# Altium PCB 省电v1.0.PcbDoc
Units mil, origin at the board's own origin, x right, y up, seen from the top; angles counter-clockwise.
Board outline 6000 x 4000 mil, 2 copper layers (Top Layer, Bottom Layer); 24 components, 31 nets, 124 pads, 49 vias.
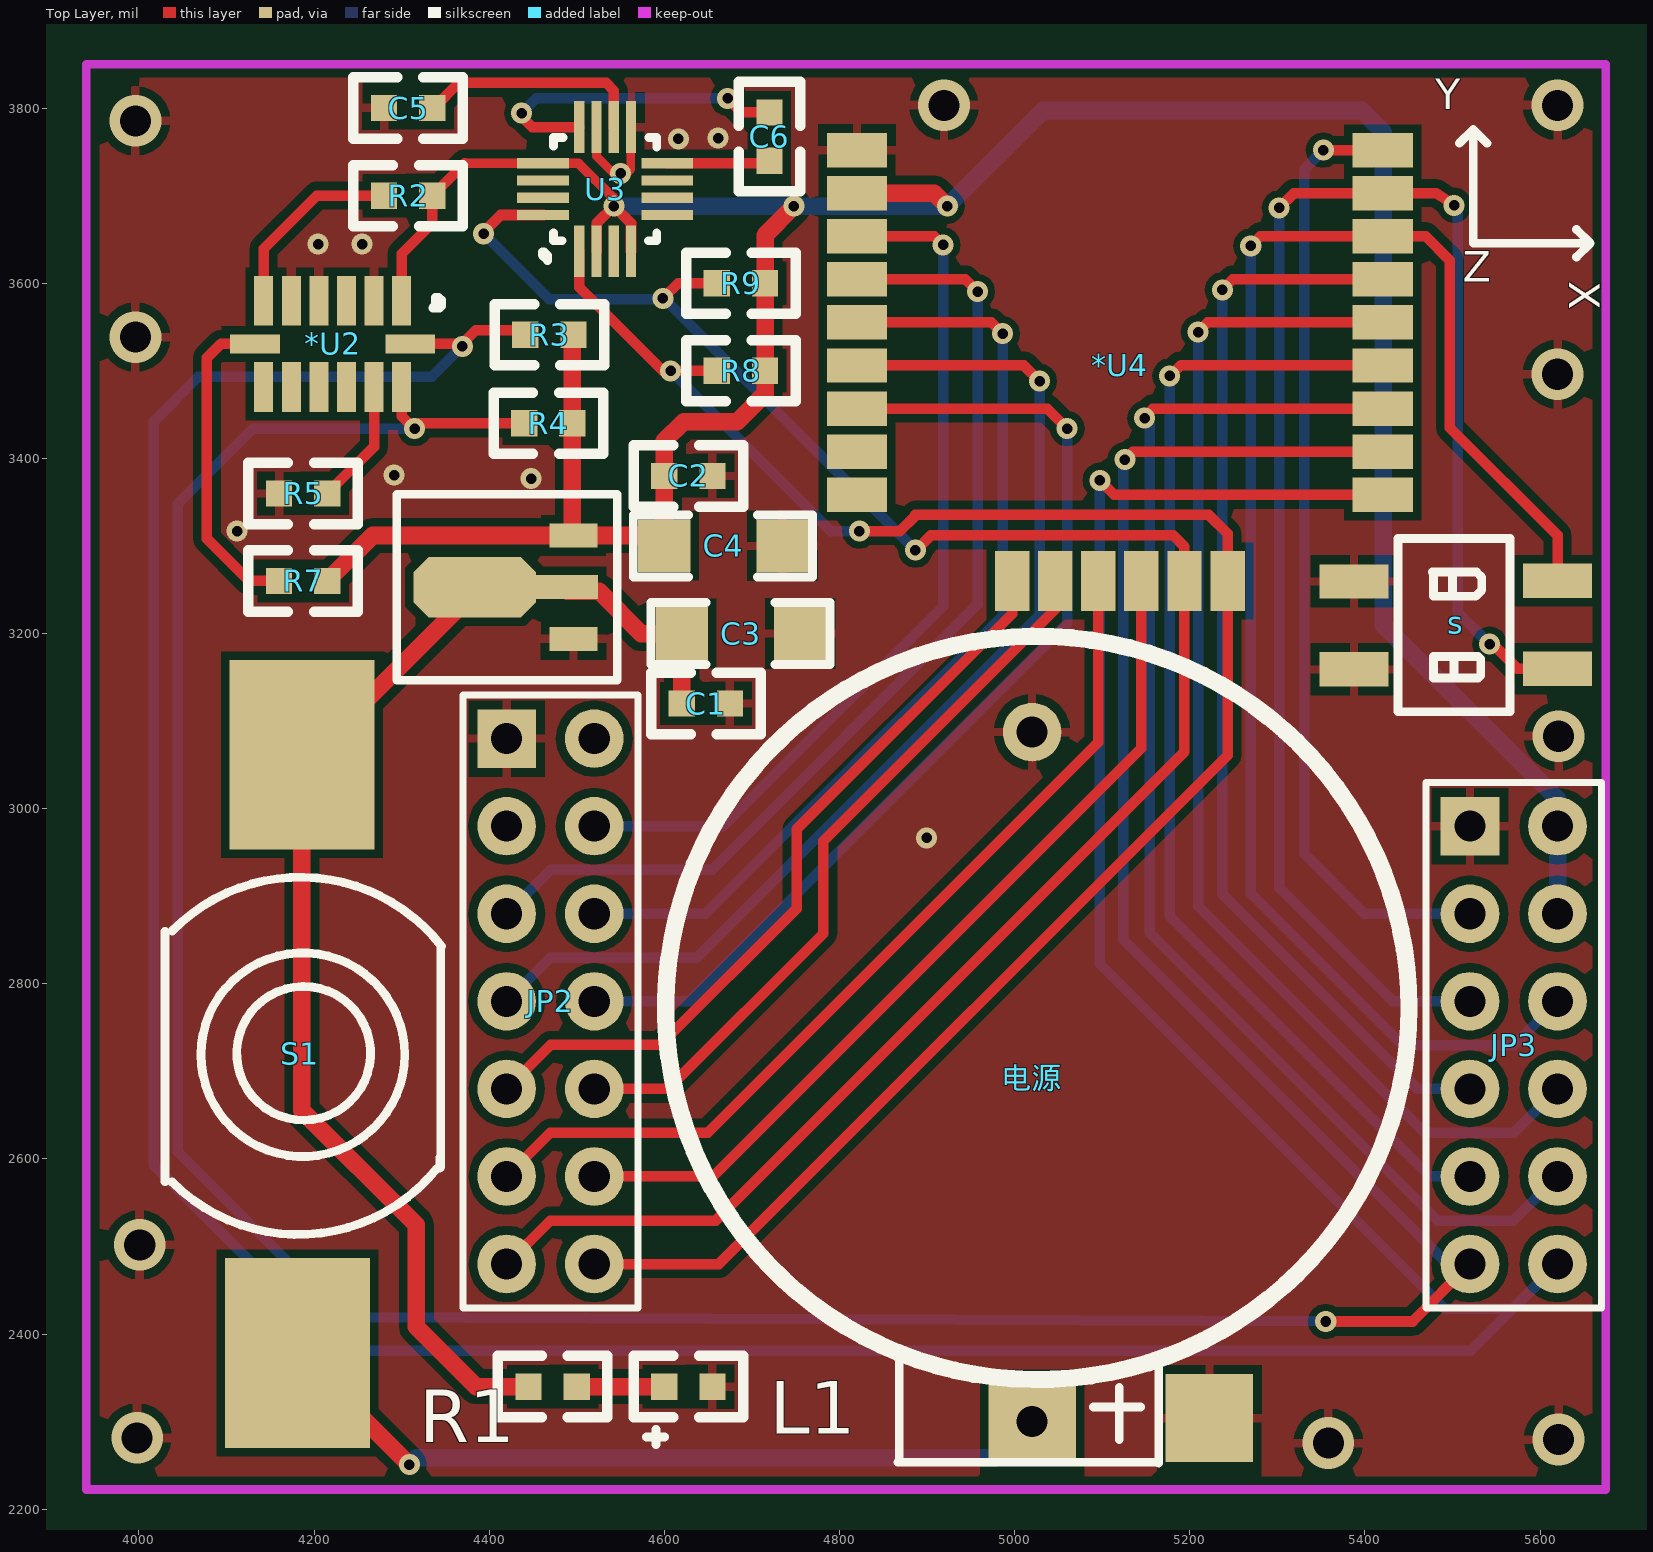
[diagram p0: Top Layer view]
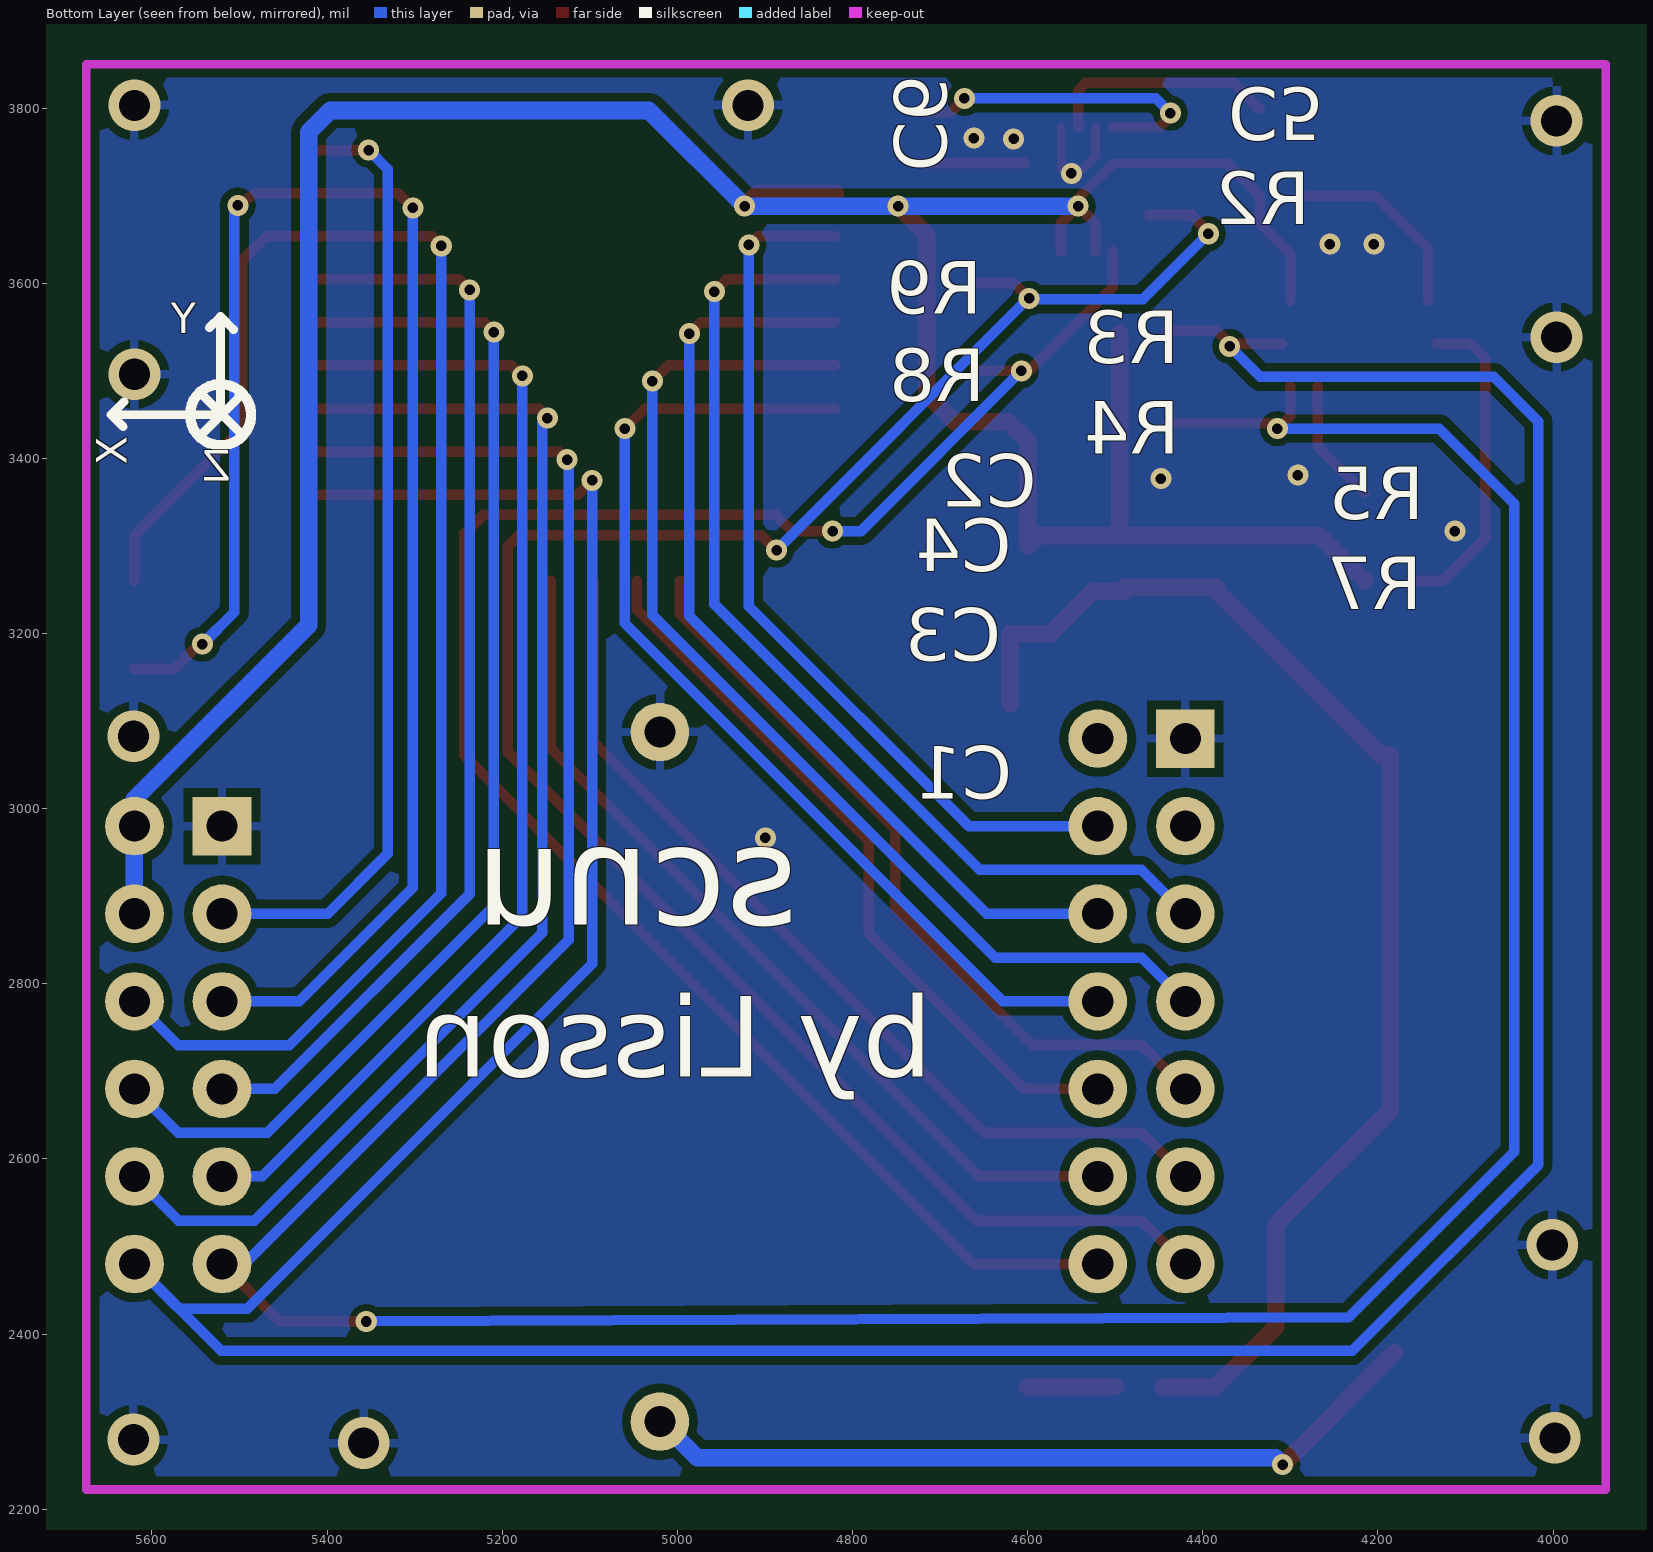
[diagram p1: Bottom Layer view, seen from below]

## Layer stack, top to bottom
Top Layer: signal copper 1.4
Dielectric: dielectric 12.6, FR-4, Dk 4.8
Bottom Layer: signal copper 1.4

## Board outline
1000,1000 7000,1000 7000,5000 1000,5000

## Design rules (kind name [scope] priority, off if disabled: settings)
Clearance [All] p1: gap=7
ComponentClearance [All] p1: gap=10 collisioncheckmode=3 verticalgap=10
PolygonConnect [All] p1: connectstyle=Relief reliefconductorwidth=10 reliefentries=4 polygonreliefangle="90 Angle"
RoutingVias [All] p1: holewidth=28 width=50 viastyle="Through Hole" minholewidth=5 minwidth=10 maxholewidth=39.37 maxwidth=59.06
SolderMaskExpansion [All] p1: expansion=4
TestPointUsage [All] p1: valid=0 allowmultiple=FALSE
Testpoint [All] p1: side=15 testpointundercomponent=TRUE minsize=40 maxsize=100 preferedsize=60 minholesize=0 maxholesize=40 preferedholesize=32 testpointgrid=1 style=1021 order=0123456789
Width [All] p1: maxlimit=20 minlimit=10 preferedwidth=10
18 further rules are at their usual default settings.

## Components (designator, comment, footprint, x,y, rotation, side; value= is the part's Value field where it differs from the comment)
*U1 "*6206" SOT89/X.7 4440,3252.87 r90 top
*U2 "ADXL345" ADXL345 4300,3580 r270 top
*U4 "mini_zigzee" mini_zigbee 4820,3752.13 r0 top
C1 "0.1u" 0603 4620,3120 r0 top
C2 "0.1u" 0603 4600,3380 r0 top
C3 "10U" 1206 4580,3240 r0 top
C4 "10u" 1206 4560,3340 r0 top
C5 "Cap Pol2" 0603 4335,3800 r180 top
C6 "0.22uf" 0603 4720,3740 r90 top
JP2 "Header 2X7" HDR2-7 4420,3080 r270 top
JP3 "Header 2X6" HDR2-6 5520,2980 r270 top
L1 "LED-3MM" 0603 4600,2340 r0 top
R1 "Res" 0603 4500,2340 r180 top
R2 "Res" 0603 4280,3700 r0 top
R3 "Res" 0603 4441.23,3541.1 r0 top
R4 "Res" 0603 4440,3440 r0 top
R5 "Res" 0603 4160,3360 r0 top
R7 "Res" 0603 4160,3260 r0 top
R8 "Res" 0603 4660,3500 r0 top
R9 "Res" 0603 4660,3600 r0 top
s "贴片拨码开关" 贴片拨码开关 5620,3160 r90 top
S1 "" 手电筒开关 4188.19,2720 r90 top
U3 "HMC5883L" HMC5883L 4502.91,3646.42 r90 top (schematic designator *U3)
电源 "Header 2" 2032纽扣底座 5020,2300 r0 top

## Footprints (in the part's own frame and the unit in brackets; to place one, negate y for a bottom-side part, rotate by r counter-clockwise, add the part's x,y. Pads: shape width x height; smd on the part's side, far side on the other; paste and mask are expansions set on the pad)
0603 [mil]
  rect 30x30 smd: 1(0,0) 2(55,0)
  silkscreen extent -35,-35 90,35
1206 [mil]
  rect 60x60 smd: 1(40,-40) 2(175,-40)
  silkscreen extent 5,-75 209,-5
2032纽扣底座 [mm]
  round 1.7 hole 0.9: 1(0,0) 2(0,20)
  silkscreen extent -10.63,-1.2 10.93,22.78
ADXL345 [mm]
  rect 1.445x0.55 smd: 1(0,0) 2(0,-0.8) 3(0,-1.6) 4(0,-2.4) 5(0,-3.2) 6(0,-4) 8(2.5,-4) 9(2.5,-3.2) 10(2.5,-2.4) 11(2.5,-1.6) 12(2.5,-0.8) 13(2.5,0)
  rect 0.55x1.445 smd: 7(1.25,-4.25) 14(1.25,0.25)
HDR2-6 [mm]
  rect 1.7x1.7 hole 0.9: 1(0,0)
  round 1.7 hole 0.9: 2(0,2.54) 3(2.54,0) 4(2.54,2.54) 5(5.08,0) 6(5.08,2.54) 7(7.62,0) 8(7.62,2.54) 9(10.16,0) 10(10.16,2.54) 11(12.7,0) 12(12.7,2.54)
  silkscreen extent -1.27,-1.27 13.97,3.81
HDR2-7 [mm]
  rect 1.7x1.7 hole 0.9: 1(0,0)
  round 1.7 hole 0.9: 2(0,2.54) 3(2.54,0) 4(2.54,2.54) 5(5.08,0) 6(5.08,2.54) 7(7.62,0) 8(7.62,2.54) 9(10.16,0) 10(10.16,2.54) 11(12.7,0) 12(12.7,2.54) 13(15.24,0) 14(15.24,2.54)
  silkscreen extent -1.27,-1.27 16.51,3.81
HMC5883L [mm]
  rect 1.5x0.3 smd: 1(-0.25,0) 2(-0.25,-0.5) 3(-0.25,-1) 4(-0.25,-1.5) 9(3.35,-1.5) 10(3.35,-1) 11(3.35,-0.5) 12(3.35,0)
  rect 0.3x1.5 smd: 5(0.8,-2.55) 6(1.3,-2.55) 7(1.8,-2.55) 8(2.3,-2.55) 13(2.3,1.05) 14(1.8,1.05) 15(1.3,1.05) 16(0.8,1.05)
  silkscreen extent 0.05,-2.25 3.05,0.75
mini_zigbee [mm] "zigbee"
  rect 1.75x1 smd: 1(0,0) 2(0,-1.25) 3(0,-2.5) 4(0,-3.75) 5(0,-5) 6(0,-6.25) 7(0,-7.5) 8(0,-8.75) 9(0,-10) 16(15.25,-10) 17(15.25,-8.75) 18(15.25,-7.5) 19(15.25,-6.25) 20(15.25,-5) 21(15.25,-3.75) 22(15.25,-2.5) 23(15.25,-1.25) 24(15.25,0)
  rect 1x1.75 smd: 10(4.5,-12.5) 11(5.75,-12.5) 12(7,-12.5) 13(8.25,-12.5) 14(9.5,-12.5) 15(10.75,-12.5)
SOT89/X.7 [mm]
  rect 0.7x1.4 smd: 1(-1.5,-1.433) 3(1.5,-1.433)
  oct 1.75x3.55 smd: 2(0,1.433)
  rect 0.7x1.8 smd: 2(0.004,-1.243)
  silkscreen extent -2.7,-2.7 2.7,3.7
手电筒开关 [mm]
  rect 5.5x4.2 smd: 1(8.675,0.05) 2(-8.675,0.175)
  silkscreen extent -5.24,-4 5.12,4.03
贴片拨码开关 [mm]
  rect 1x2 smd: 1(0,0) 2(2.55,0) 3(2.525,5.9) 4(-0.025,5.9)
  silkscreen extent -1.25,1.37 3.77,4.62

## Part data
*U1: library part 6206A
C1 C2 C6: library part CAP
C3 C4: library part CAP-10U-T
C5: "Polarized Capacitor (Axial)"
JP2: "Header, 7-Pin, Dual row"
JP3: "Header, 6-Pin, Dual row"
R1 R2 R3 R4 R5 R7 R8 R9: "Resistor"
S1: library part SW-SPST, "Single-Pole, Single-Throw Switch"
电源: "Header, 2-Pin"

## Free pads (board coordinates)
  rect 100x100 smd: 0(5020,2300) 1(5222.44,2304.13)

## Via types
v1: diameter 24, hole 12, Top Layer to Bottom Layer, 39 vias
v2: diameter 59.06, hole 35.43, Top Layer to Bottom Layer, 10 vias

## Nets (pads, with @x,y where several pads share a name; then routed paths per layer and width w, separated by ;. In a path a pad name is that pad's centre, name@x,y a point inside that pad or via, vN(x,y) a via of type N, cw(c..) or ccw(c..) an arc to the next point about the centre after c; other vN are vias at no path point)
GND: *U1.1 *U2.2 *U2.4 *U2.5 *U4.1 C1.2 C2.2 C3.2 C4.2 C5.2 JP2.1 JP3.1 L1.2 pad.1 R5.1 s.3 s.4 U3.9 U3.11 电源.2 | length 130.5
  Top Layer w10: U3.11 4522.6,3745.12 4542.32,3725.39 4557.09,3725.39 4561.78,3730.09 U3.9@4561.78,3778.12
  other v1: 4899.61,2966.54 4112.2,3316.93 4447.83,3376.97 4291.34,3380.91 4204.72,3644.69 4254.92,3644.69 4550.2,3725.39 4616.14,3764.76 4661.42,3765.75
  other v2: 5358.27,2275.59 5621.06,2279.53 3998.03,2281.5 4000.98,2501.97 5621.06,3082.68 5620.08,3496.06 3996.06,3538.39 3996.06,3785.43 4919.29,3803.15 5620.08,3803.15
Net*U1_2: *U1.2 C1.1 C3.1 R1.2 S1.1 | length 1474.6
  Top Layer w20: *U1.2@4383.6,3247.87 4197.26,3061.54 S1.1 4186.22,2655.31 4316.93,2524.61 4316.93,2408.46 4385.39,2340 R1.2 ; *U1.2@4383.6,3252.87 4488.78,3252.87 *U1.2@4488.93,3253.02 ; *U1.2@4488.93,3248.02 4525.6,3248.02 4573.62,3200 C3.1 C1.1
Net*U2_6: *U2.6 R2.1 | length 222.1
  Top Layer w12: *U2.6 4142.52,3639.57 4202.95,3700 R2.1
Net*U2_7: *U2.7 R7.1 | length 370.4
  Top Layer w12: *U2.7 4093.78,3530.79 4077.76,3514.76 4077.76,3308.07 4125.83,3260 R7.1
Net*U2_12: *U2.12 R5.2 | length 143.7
  Top Layer w12: R5.2 4268.5,3413.5 *U2.12
Net*U3_8: C6.1 U3.8 | length 113.7
  Top Layer w12: U3.8 C6.1@4716.97,3736.97
Net*U3_10: C5.1 U3.10 | length 264.5
  Top Layer w12: C5.1 4336.42,3800 4365.16,3828.74 4533.46,3828.74 4542.28,3819.92 U3.10
Net*U3_12: C6.2 U3.12 | length 371.4
  Top Layer w12: v1(4437.01,3794.29) 4437.01,3790.35 4449.06,3778.31 U3.12 ; v1(4672.24,3811.02) 4688.27,3795 C6.2
  Bottom Layer w12: v1(4437.01,3794.29) 4453.74,3811.02 v1(4672.24,3811.02)
NetL1_1: L1.1 R1.1 | length 100
  Top Layer w20: R1.1 L1.1
NetS1_2: pad.0 S1.2 电源.1 | length 932.8
  Top Layer w20: S1.2 v1(4308.78,2250.98) ; pad.0@5007.68,2300 pad.0
  Bottom Layer w20: v1(4308.78,2250.98) 4316.65,2258.86 4977.36,2258.86 5018.7,2300.2 电源.1@5028.54,2300.2
P0_0: *U4.23 JP3.5 s.1 | length 1858
  Top Layer w12: v1(5302.17,3686.02) 5319.06,3702.91 5481.14,3702.91 v1@5495.42,3693.6 ; v1(5542.32,3187.99) 5546.26,3187.99 5574.25,3160 s.1
  Bottom Layer w12: v1(5302.17,3686.02) 5302.17,2909.45 5431.61,2780 JP3.5 ; v1(5501.97,3688.98) 5505.91,3685.04 5505.91,3224.41 v1(5542.32,3187.99)
P0_1: *U4.22 JP3.6 s.2 | length 1842.1
  Top Layer w12: v1(5269.69,3642.72) 5280.67,3653.7 5469.33,3653.7 5497.05,3625.98 5497.05,3435.04 5620,3312.09 s.2
  Bottom Layer w12: v1(5269.69,3642.72) 5269.69,2903.54 5443.41,2729.82 5569.82,2729.82 JP3.6
P0_2: *U4.21 JP3.7 | length 1253.1
  Top Layer w12: v1(5237.2,3592.52) 5249.17,3604.49 *U4.21
  Bottom Layer w12: v1(5237.2,3592.52) 5237.2,2902.56 5459.76,2680 JP3.7
P0_3: *U4.20 JP3.8 | length 1409.1
  Top Layer w12: v1(5209.65,3544.29) 5220.63,3555.28 *U4.20
  Bottom Layer w12: v1(5209.65,3544.29) 5209.65,2888.78 5468.5,2629.92 5569.92,2629.92 JP3.8
P0_4: *U4.19 JP3.9 | length 1331.2
  Top Layer w12: v1(5177.17,3494.09) 5188.98,3505.91 5189.96,3505.91 5190.1,3506.06 *U4.19
  Bottom Layer w12: v1(5177.17,3494.09) 5177.17,2876.97 5474.13,2580 JP3.9
P0_5: *U4.18 JP3.10 | length 1490.1
  Top Layer w12: v1(5148.62,3445.87) 5148.62,3447.83 5157.64,3456.85 *U4.18
  Bottom Layer w12: v1(5148.62,3445.87) 5154.53,3439.96 5154.53,2858.27 5483.27,2529.53 5569.53,2529.53 JP3.10
P0_6: *U2.13 *U4.17 JP3.11 R4.1 | length 4205
  Top Layer w12: *U2.13 4300,3448.03 4314.02,3434.02 v1(4314.92,3434.02) 4320.91,3440 R4.1 ; v1(5125.98,3398.62) 5135,3407.64 *U4.17 ; v1(5355.32,2414.37) 5454.72,2414.37 5456.02,2415.67 5456.02,2416.02 JP3.11
  Bottom Layer w12: v1(4314.92,3434.02) 4129.88,3434.02 4044.29,3348.43 4044.29,2608.27 4233.18,2419.38 v1@5354.33,2414.45 ; v1(5125.98,3398.62) 5124.02,3396.65 5124.02,2850.39 5494.41,2480 JP3.11
P0_7: *U2.14 *U4.16 JP3.12 R3.1 | length 4626.5
  Top Layer w12: *U2.14 v1@4369.37,3530.79 ; v1(4369.37,3527.83) v1@4369.37,3530.79 ; R3.1@4441.23,3546.1 4384.69,3546.1 v1@4369.37,3530.79 ; v1(5097.44,3375) 5114.02,3358.43 *U4.16
  Bottom Layer w12: v1(4369.37,3527.83) 4334.65,3493.11 4067.91,3493.11 4016.73,3441.93 4016.73,2593.5 4229.33,2380.91 5520.91,2380.91 JP3.12 ; v1(5097.44,3375) 5097.44,2822.83 5491.14,2429.13 5569.13,2429.13
P1_0: *U4.15 JP2.14 R8.1 U3.1 | length 2183.5
  Top Layer w12: U3.1 4502.91,3595.51 4598.43,3500 R8.1 ; JP2.14 4662.09,2480 5243.23,3061.14 5243.23,3313.86 5221.46,3335.63 4886.81,3335.63 4886.81,3334.65 4869.09,3316.93 v1(4822.83,3316.93)
  Bottom Layer w12: v1(4607.28,3500) 4790.35,3316.93 v1(4822.83,3316.93)
P1_1: *U4.14 JP2.13 R9.1 U3.16 | length 2360.6
  Top Layer w12: v1(4393.7,3656.5) 4393.7,3658.46 4413.15,3677.91 U3.16 ; JP2.13 4469.53,2529.53 4658.46,2529.53 5194.02,3065.08 5194.02,3299.09 5181.1,3312.01 4904.53,3312.01 4887.8,3295.28 v1(4886.81,3295.28) ; v1(4598.43,3582.68) 4615.75,3600 R9.1
  Bottom Layer w12: v1(4393.7,3656.5) 4468.5,3581.69 4600.39,3581.69 v1(4886.81,3295.28) ; v1@4597.44,3581.69 v1(4598.43,3582.68)
P1_2: *U4.13 JP2.12 | length 1018.3
  Top Layer w12: JP2.12 4655.79,2580 5144.8,3069.02 *U4.13
P1_3: *U4.12 JP2.11 | length 1065.1
  Top Layer w12: JP2.11 4469.92,2629.92 4649.61,2629.92 5095.59,3075.91 *U4.12
P1_4: *U4.11 JP2.10 | length 847.4
  Top Layer w12: JP2.10 4604.21,2680 4781.5,2857.28 4781.5,2962.6 5046.38,3227.48 *U4.11
P1_5: *U4.10 JP2.9 | length 892.4
  Top Layer w12: JP2.9 4470.31,2730.32 4595.47,2730.32 4750.98,2885.83 4750.98,2976.38 4997.17,3222.56 *U4.10
P1_6: *U4.7 JP2.8 | length 1190.7
  Top Layer w12: *U4.7 5037.24,3456.85 v1(5060.04,3434.06)
  Bottom Layer w12: JP2.8 4628.43,2780 5060.04,3211.61 v1(5060.04,3434.06)
P1_7: *U4.6 JP2.7 | length 1274.1
  Top Layer w12: *U4.6 5010.67,3506.06 v1(5028.54,3488.19)
  Bottom Layer w12: JP2.7 4469.72,2829.72 4636.81,2829.72 5028.54,3221.46 v1(5028.54,3488.19)
P2_0: *U4.5 JP2.6 | length 1101.3
  Top Layer w12: *U4.5 4973.27,3555.28 v1(4986.22,3542.32)
  Bottom Layer w12: JP2.6 4646.73,2880 4986.22,3219.49 v1(4986.22,3542.32)
P2_1: *U4.4 JP2.5 | length 1184.7
  Top Layer w12: *U4.4 4943.74,3604.49 v1(4957.68,3590.55)
  Bottom Layer w12: JP2.5 4470.12,2930.12 4654.53,2930.12 4957.68,3233.27 v1(4957.68,3590.55)
P2_2: *U4.3 JP2.4 | length 1017.2
  Top Layer w12: *U4.3 4908.31,3653.7 v1(4918.31,3643.7)
  Bottom Layer w12: JP2.4 4667.01,2980 4918.31,3231.3 v1(4918.31,3643.7)
RESET: *U4.24 JP3.3 | length 1098
  Top Layer w12: v1(5352.52,3752.13) *U4.24
  Bottom Layer w12: v1(5352.52,3752.13) 5330.71,3730.32 5330.71,2948.82 5399.53,2880 JP3.3
VCC: *U1.3 *U2.1 *U4.2 C2.1 C4.1 JP3.2 JP3.4 R2.2 R3.2 R4.2 R7.2 R8.2 R9.2 U3.2 U3.4 U3.13 | length 3652.6
  Top Layer w11: 4371.97,3736.97 4502.2,3736.97 v1@4542.32,3696.85
  Top Layer w12: *U2.1 4300,3633.66 4335,3668.66 R2.2 4371.97,3736.97 ; U3.2 4522.6,3668.27 v1(4542.32,3687.99) ; v1@4542.32,3696.85 v1(4542.32,3687.99) ; U3.4 4561.97,3668.35 v1(4542.32,3687.99)
  Top Layer w20: R7.2 4266.93,3311.93 4588.07,3311.93 C4.1 4600,3419.88 4622.05,3441.93 4683.07,3441.93 4715,3473.86 4715,3654.96 v1(4748.03,3687.99) ; R4.2 R4.2@4498.23,3443.23 ; R3.2@4495,3542.87 4495,3312.01 *U1.3@4495.08,3311.93 ; *U4.2 4908.31,3702.91 v1(4923.23,3687.99)
  Bottom Layer w20: v1(4542.32,3687.99) v1(4923.23,3687.99) 5032.48,3797.24 5396.65,3797.24 5421.26,3772.64 5421.26,3209.65 5620,3010.91 JP3.4
pads on no net: *U2.3 *U2.8 *U2.9 *U2.10 *U2.11 *U4.8 *U4.9 JP2.2 JP2.3 U3.3 U3.5 U3.6 U3.7 U3.14 U3.15

## Polygon pours and split planes (outlines as drawn)
GND on Top Layer "Bottom Layer-No Net" (solid, remove dead copper, pour order 1000): 3862.2,3920.28 5881.89,3920.28 5881.89,1362.2 5646.65,1126.97 4945.87,1827.76 2720.47,1827.76 2720.47,2778.54 3862.2,3920.28
GND on Bottom Layer "Bottom Layer-No Net" (solid, remove dead copper, pour order 1001): 3823.82,3941.93 3878.94,3886.81 5781.5,3886.81 5781.5,2170.28 5644.69,2033.46 5627.95,2050.2 3865.16,2050.2 3865.16,3900.59 3823.82,3941.93

## Keep-outs
Keep-Out Layer:
  lines w10: 3939.96,2222.44 5674.8,2222.44 5675,2222.64 5675,2232.28 5675,3850 5525,3850 3939.96,3850 3939.96,3053.15 3939.96,2230.32 3939.96,2223.43

## Silkscreen, mask and mechanical layers (free items; w line width, h text height)
Top Overlay:
  lines w10: 4338.58,3580.71 4338.58,3583.66 ; 4460.63,3635.83 4460.63,3631.89 4466.54,3625.98 4466.54,3631.89 4462.6,3635.83 ; 4579.72,2282.48 4600.39,2282.48 ; 4590.55,2273.62 4590.55,2291.34 ; 5507.87,3759.84 5523.62,3775.59 ; 5539.37,3759.84 5523.62,3775.59 ; 5641.73,3629.92 5657.48,3645.67 ; 5641.73,3661.42 5657.48,3645.67 ; 4338.58,3583.66 4338.58,3574.8 4335.63,3571.85 4343.5,3571.85 4345.47,3573.82 4345.47,3580.71 4342.52,3583.66 4338.58,3583.66 ; 5523.62,3775.59 5523.62,3775.59 ; 5523.62,3775.59 5523.62,3645.67 5657.48,3645.67
  text "Y" at 5480.32,3787.4 h59.06
  text "X" at 5622.05,3602.36 h59.06 r270
  text "Z" at 5511.81,3590.55 h59.06
Bottom Overlay:
  circle w11.81: c5521.65,3449.8 r34.91
  lines w10: 5497.05,3427.17 5545.28,3475.39 ; 5500.98,3475.39 5500.98,3469.49 5545.28,3425.2 ; 5534.45,3549.21 5521.65,3562.01 ; 5632.87,3436.02 5646.65,3449.8 ; 5521.65,3562.01 5506.89,3547.24 5521.65,3562.01 ; 5521.65,3562.01 5521.65,3562.01 ; 5521.65,3562.01 5521.65,3449.8 5646.65,3449.8 ; 5545.28,3475.39 5545.28,3475.39 ; 5646.65,3449.8 5631.89,3464.57 5646.65,3449.8
  text "Y" at 5549.21,3531.5 h59.06
  text "X" at 5617.13,3425.2 h59.06 r270
  text "Z" at 5509.84,3363.19 h59.06
  text "scnu" at 4862.2,2829.72 h196.85
  text "by Lisson" at 4708.66,2663.39 h157.48

## Text inside footprints (layer, text, board x,y; h text height)
JP2: Top Overlay "13" at 4400,2400 h0 r270; Top Overlay "14" at 4500,2400 h0 r270; Top Overlay "1" at 4400,3200 h0 r270; Top Overlay "2" at 4500,3200 h0 r270
JP3: Top Overlay "12" at 5600,2400 h0 r270; Top Overlay "1" at 5500,2360 h0 r270; Top Overlay "1" at 5500,2400 h0 r270; Top Overlay "1" at 5500,3080 h0 r270; Top Overlay "2" at 5600,3080 h0 r270